# KiCad board cm4-baseboard.kicad_pcb (continued)
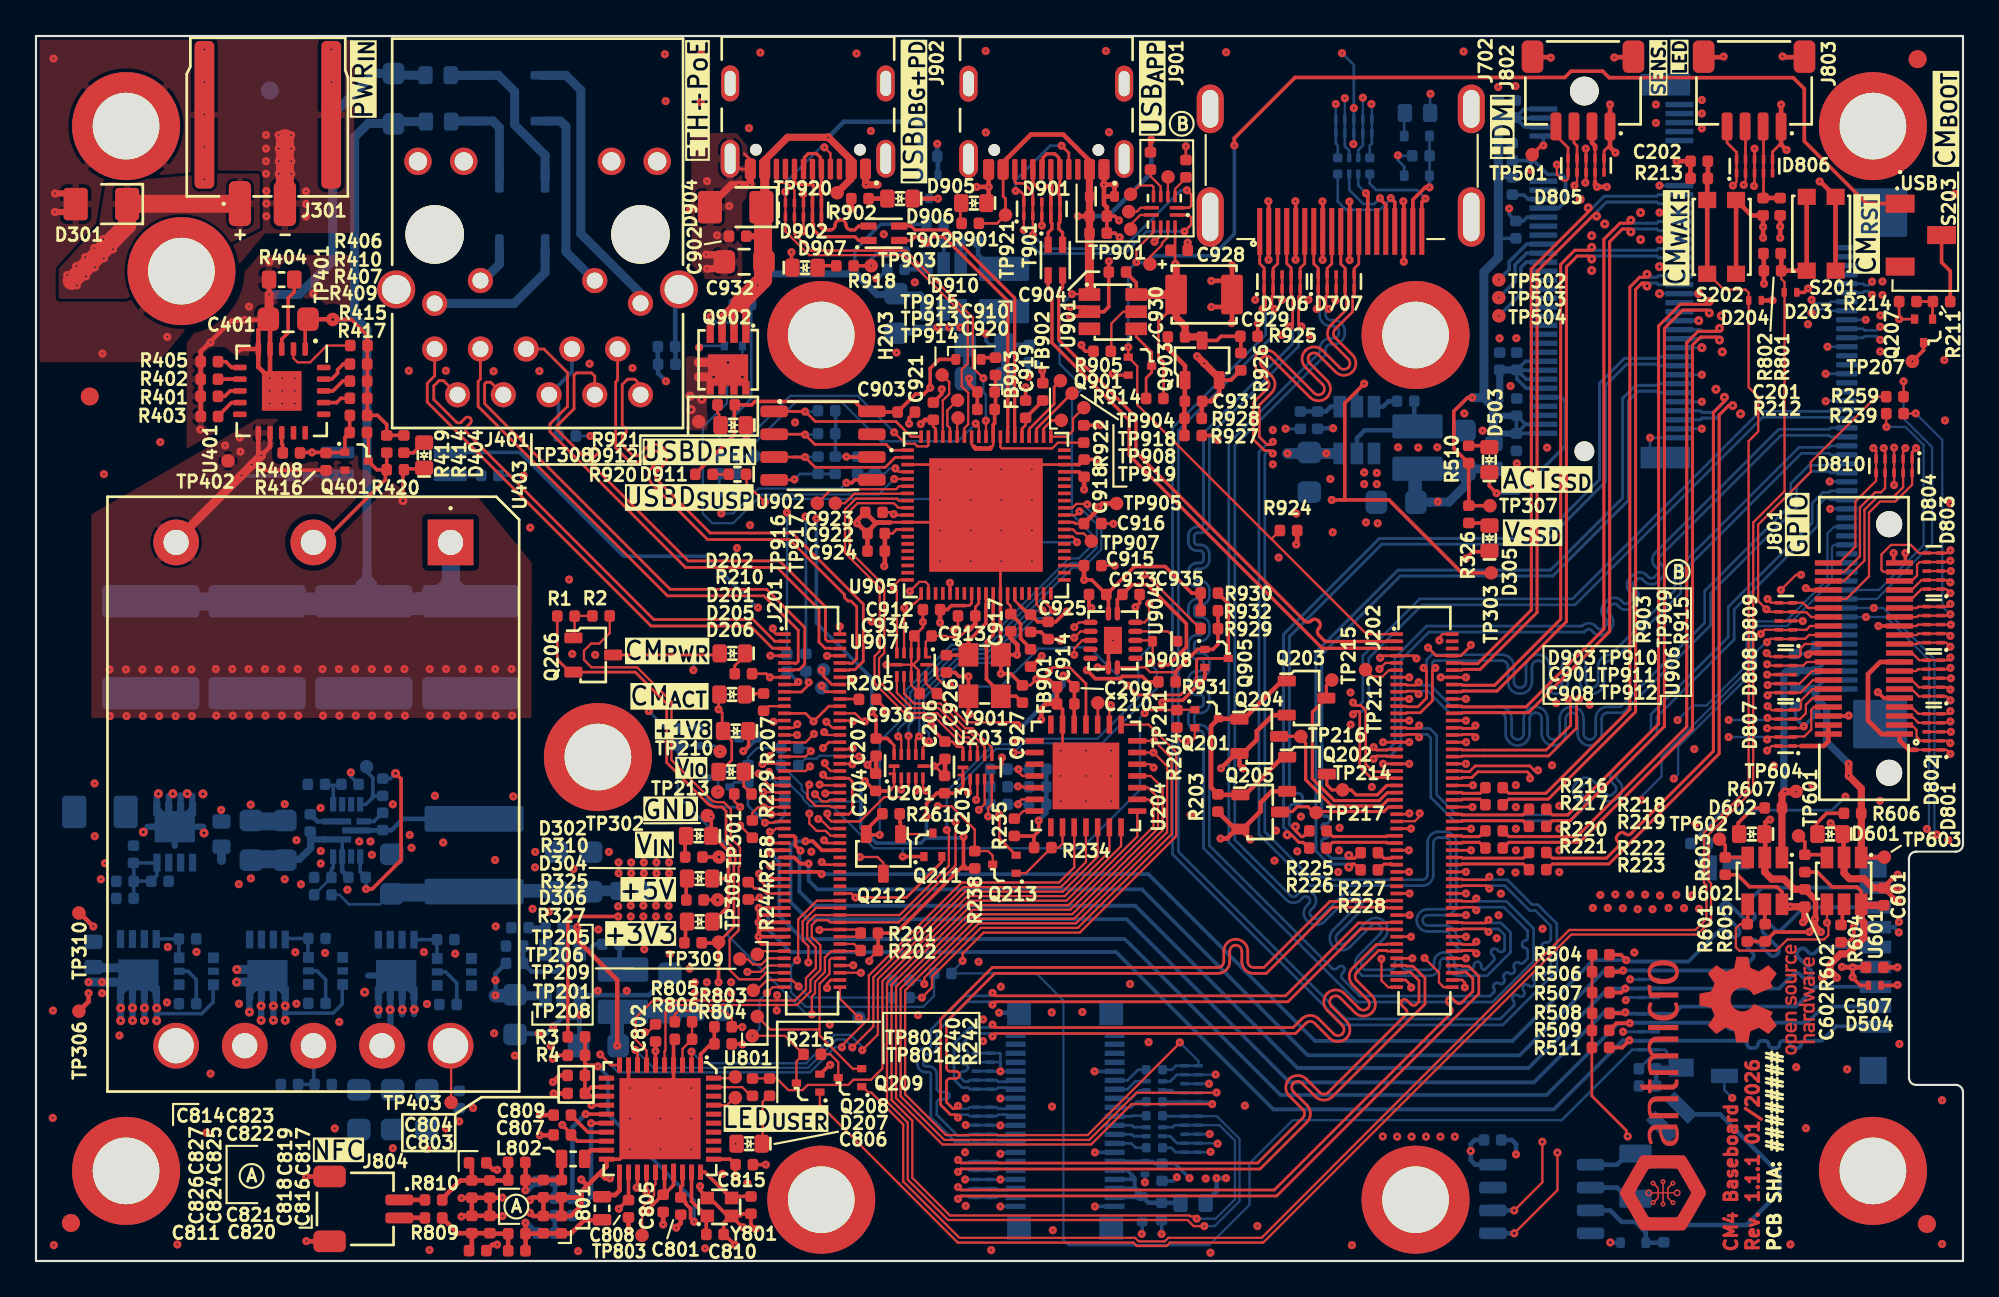
[diagram p0: board, top side]
## Routing (per net, layer and track width the routed paths; a pad name or vN(x,y) marks a point on that pad's centre or on a via; arc(x,y) is an arc through that point) (continued)
+5V: length 66.1
  Top w0.127: v1(96.12,28.33) 96.38,28.59 D807.10 ; 98.02,28.59 D807.1 ; 96.77,28.57 97.55,28.57
  Top w0.15: D205.2 38.15,29.35 38.63,28.87 38.63,27.81 37.9,27.07 ; 38.1,29.42 38.1,30.42 v1(37.9,30.62) 37.9,31.45
  Top w0.2: v1(40.12,18) 40.13,18 J201.85 ; v1(40.12,18) 40.12,18.25 ; v1(40.12,18) 40.12,17.75 40.27,17.6 J201.87 ; 40.27,18.4 40.15,18.4 40.12,18.42 ; 40.27,18.4 40.25,18.4 40.12,18.53 ; 40.27,18.4 J201.83 ; 40.27,18.4 40.12,18.25 ; J201.77 40.13,19.6 v1(40.12,19.6) 40.12,19.32 ; 40.12,18.25 40.12,18.42 ; 40.12,18.53 40.12,19.07 ; 40.12,18.53 40.12,18.42 ; v2(37.85,20.05) 37.08,20.05 ; v1(40.12,18.8) 40.13,18.8 J201.81 ; 40.12,19.07 40.25,19.2 ; 40.12,19.07 40.12,19.22 ; 66.9,49.44 66.36,48.9 Q903.2 ; J201.79 40.27,19.2 ; 40.27,19.2 40.15,19.2 40.12,19.22 ; 40.27,19.2 40.25,19.2 ; 40.27,19.2 40.25,19.2 ; 40.12,19.32 40.25,19.2 ; 40.12,19.32 40.12,19.22 ; R3.2 29.53,12.45 29.53,18.87 29.79,19.12 v1(32.33,19.12) ; 98.22,21.59 98.92,21.59 99.74,20.76 101.11,20.76 101.35,20.53 U601.6
  Top w0.254: Q203.2 68.68,30.3 67.79,29.41 67.79,28.94 67.03,28.18 ; 67,23.98 68,24.97 68,25.45 68.63,26.08 69.47,26.08 ; 66.83,28.18 66.83,27.53 v1(67,27.35) ; 66.63,28.18 v1(65.8,27.35) ; 64.76,47.72 65.25,47.72 65.7,48.17 Q903.2 ; J801.4 J801.2 99.52,28.85 99.26,28.59 98.02,28.59 ; v1(67.42,23.4) 67.42,23.43 Q205.2 ; 64.73,46.78 64.73,47.7 ; v1(65.77,23.45) 66.12,23.45 66.65,23.98 ; R902.2 v1(45.27,58.42) ; 66.59,23.98 65.62,24.94 ; 96.85,58.04 v1(96.85,57.42) v1(96.85,56.8)
  Top w0.4: 99.62,16.1 v1(100,15.72) ; 99.62,16.1 99.24,15.72 v1(99.17,15.72) ; 99.62,16.1 99.62,16.47 100.2,17.05 100.6,17.05 101.49,17.94 101.49,18.8 101.35,18.95 U601.6 101.41,19.74 102.6,19.74 ; v1(64.47,50.22) v1(64.88,49.82) 65.7,49
  Bottom w0.15: v1(77.43,64.79) 77.41,64.77 77.41,64.01 77.74,63.67
  Bottom w0.254: v1(66.08,4.6) v1(65.55,4.6) 65.55,3.86 64.95,3.26 FB702.1
  vias: v1(32.33,19.69) v1(32.35,22.12) v1(32.35,21.53) v1(33.02,19.72) v1(33.02,19.12) v1(33.05,22.12) v1(33.05,21.53) v1(33.72,19.72) v1(33.72,19.12) v1(33.75,22.12) v1(33.75,21.53) v1(34.42,19.72) v1(34.42,19.12) v1(34.45,22.12) v1(34.45,21.53) v1(35.12,19.72) v1(35.12,19.12) v1(35.15,22.12) v1(35.15,21.53)
/Ethernet/VDD: length 83.4
  Top w0.2: U401.1 14.95,52.17 ; v2(16.48,52.27) 17.51,52.27 18.39,51.38 18.39,46.94 18.97,46.94 19.47,46.44 19.47,45.84 20.42,45.84
  Top w0.254: v2(16.48,52.27) 16.47,52.28 15.05,52.28
  Bottom w0.254: 17.69,52.4 17.56,52.27 v2(16.48,52.27)
  Bottom w0.5: 19.84,63.15 18.44,63.15 17.69,62.4 17.69,52.4 18.38,51.72 18.38,38.16 18.37,38.15 ; 18.37,36.95 18.37,38.15 ; 18.37,38.15 18.37,37.9 ; 18.01,37.56 18.01,36.61 ; 18.66,37.56 18.66,36.61 ; 18.33,37.63 18.33,36.69 ; 12.51,36.11 23.46,36.11 ; 18.37,37.9 18.04,37.57 ; 18.37,37.9 18.7,37.57 ; 19.98,63.25 21.46,63.25
  Bottom w1: 21.23,36.61 23.96,36.61 ; 21.23,36.61 22.04,36.61 23,37.57 23.96,36.61 ; 21.23,36.61 6.18,36.61 ; 23.96,36.61 23.04,37.53 23.04,39.9
/Ethernet/VSS: length 38.2
  Top w0.254: 11.36,50.64 v1(11.26,50.64) 11.26,50.74 11.36,50.64 ; 11.36,50.64 11.37,50.63 U401.5 ; U401.21 12.99,48.95 U401.4 12.99,52.24 ; 9.14,46.88 9.14,50.49 9.64,50.99 v1(9.69,50.99) 9.69,51.04 10.85,52.2 11.54,52.2 v1(11.58,52.24) 12.91,52.24 12.95,52.28 12.34,51.67 U401.5 ; U401.5 12.34,49.63 v1(12.97,49) ; 12.94,54.48 v1(12.94,53.65)
  Top w0.5: v1(12.94,53.65) 12.94,52.29
  Bottom w0.5: 19.72,65.83 21.44,65.83 ; D403.2 18.77,65.92 16.47,63.62 16.47,55.52 14.61,53.65 v1(12.94,53.65)
  vias: v1(9.12,46.15) v1(11.83,52.98) v1(12.96,55.45) v1(12.97,48.3) v1(12.97,47.6) v1(13.67,49) v1(13.67,48.3) v1(13.67,47.6) v1(14.38,49) v1(14.38,48.3) v1(14.38,47.6) v1(15.4,53.7)
/Supply/VCC_5V: length 10.3
  Top w0.2: v1(18.32,20.65) 18.67,20.65 20.27,22.25 20.27,26.76 v2(19.96,27.07)
  Bottom w0.2: v2(19.96,27.07) 19.68,26.78 19.25,26.78 ; v1(18.32,20.65) 18.32,21.28 ; U303.9 18,21.61 18.31,21.3
/Supply/VCC_IN: length 1.9
  Top w0.254: TP310.1 2.43,19.32 v1(3.18,18.57)
  Bottom w0.5: R308.1 10.3,22.23
/USB/+5V_{CAP}: length 28.1
  Top w0.127: 66.86,50.41 66.86,51.32
  Top w0.15: 63.25,57.44 63.25,55.36 v1(63.26,55.35) ; 62.61,48.1 62.61,49.91 62.33,50.2 62.33,52.15 63.2,53.02 ; v1(63.85,61.88) 63.85,61.12
  Top w0.2: U901.6 61.09,54.31 60.53,54.87 ; 66.87,51.33 65.8,51.33 65.57,51.1 Q903.3 ; 66.9,50.41 66.9,51.3
  Top w0.4: Q903.3 64.55,51.3 63.81,51.3 63.81,51.89 63.31,52.39 C929.1 63.31,55.3 v1(63.26,55.35)
  Top w0.5: U901.6 63.3,53.65
  In2.Cu w0.15: v1(63.85,61.88) 63.3,61.33 63.3,55.39 v1(63.26,55.35) 63.3,55.31
/USB/VCC_PD: length 5.8
  Top w0.127: U905.69 51.95,45.33 52.07,45.22 ; 53.03,45.17 53.15,45.28 U905.66
  Top w0.2: U905.66 53.15,46.42 53.23,46.5 C920.1 53.27,47.32 FB903.2
  Top w0.254: 53.03,45.17 52.97,45.1 52.18,45.1 52.07,45.22
/USB/VCC_USB: length 2.4
  Top w0.15: U905.62 54.75,46.2 54.95,46.4 54.95,46.8
  Top w0.2: 55.86,47.72 54.95,46.8
GND: length 465.7
  Top w0.127: 103.17,43.74 v1(103.17,45.15) ; D801.8 D801.3 v1(106.33,29.38) ; J202.20 v1(79.4,31.2) ; D808.8 v1(96.12,32.55) ; D807.8 96.48,29.59 ; 96.48,29.59 96.14,29.59 v1(96.12,29.57) ; 96.48,29.59 98.07,29.59 v1(98.16,29.68) ; v1(47.22,33.1) U907.6 48.65,33.1 ; D802.8 D802.3 v1(106.33,32.35) ; 96.77,29.57 97.55,29.57 ; 96.77,32.55 97.55,32.55 ; D810.8 v1(103.17,43.07) ; 48.65,33.1 48.6,33.15 U907.3 48.6,34.53 C934.1 49,34.47 U907.2 49,33.4 48.7,33.1 ; 48.65,33.1 48.7,33.1 ; 48.65,33.1 48.6,33.05 U907.9 48.6,31.97 C936.1 49,31.57 U907.10 49,32.8 48.7,33.1 ; Q201.2 64.35,29.03 64.17,28.85 v1(63.88,28.85) 63.58,28.85 63.35,29.07 63.35,29.62 ; J201.33 41.03,28.4 40.72,28.09 v1(40.72,28.01) ; v1(106.33,35.32) D803.3 D803.8 104.5,35.32 104.42,35.25 J801.25 ; D804.8 D804.3 v1(106.33,38.3) ; v1(33.82,12.7) 33.96,12.7 C802.1 ; v1(98.1,35.53) 98.09,35.54 D809.3 ; J201.53 41.05,24.4 40.97,24.33 v1(40.48,24.33) ; R929.2 64.65,35.1 61.65,38.1 v1(61.55,38.1) ; v1(42.6,59.22) 42.61,59.21 D902.8 D902.3 42.61,57.18 v1(42.6,57.16) ; 96.77,35.53 97.55,35.53
  Top w0.15: 103.45,53.26 103.45,53.25 v1(103.45,52.28) Q207.2 ; 51.19,35.81 51.19,35.29 v1(50.95,35.05) ; J202.92 v1(79.4,16.8) ; v1(76.27,20.4) J202.73 ; U204.6 57,28.22 ; R210.1 40.55,32.6 v1(40.75,32.4) J201.13 ; Q213.2 53.49,23.46 v1(53.49,24.78) ; 47.45,41.01 U905.11 52.35,41.01 ; D706.8 D706.3 69.19,53.36 v1(69.19,53.36) ; 46.65,28.03 v1(46.17,27.55) 46.17,27.51 46.62,27.06 ; D707.8 72.19,53.37 v1(72.15,53.33) ; J201.22 44.02,30.8 v1(43.17,29.95) 42.72,30.4 J201.23 ; J202.98 79.19,15.6 79.34,15.45 v1(79.34,15.19) ; J202.80 v1(79.4,19.2) ; v1(76.24,21.6) J202.67 ; v1(79.67,34.2) 79.67,34.15 79.12,33.6 J202.8 77.75,33.6 v1(77.3,34.05) ; J202.91 v1(76.42,16.8) ; 53.55,38.8 U905.31 53.55,36.45 ; 62.45,57.44 62.45,56.92 v1(62.11,56.58) ; J201.59 40.78,23.2 v1(40.75,23.23) ; C934.1 49.25,35.18 v1(49.25,35.47) 49.24,35.48 49.24,36.16 ; J202.13 76.27,32.4 ; 57.67,44.21 U905.55 55.56,44.21 ; 46.66,31.17 47.22,30.61 v1(47.22,30.48) ; v1(76.25,28.8) 76.25,28.8 J202.31 74.8,28.8 v1(74.8,28.8) ; J202.68 v1(79.4,21.6) ; v1(49.85,27.47) 49.84,27.47 U201.6 ; v1(49.85,27.47) 49.91,27.47 50.45,26.93 ; v1(49.85,27.47) 50.03,27.47 50.47,27.92 ; v1(76.23,22.8) J202.61 ; v1(76.36,15.18) 76.36,15.29 76.06,15.6 J202.97 ; v1(79.4,32.4) J202.14 v1(78,32.4) ; v1(44.63,35.22) 44.63,34.81 ; 59.16,40.93 59.82,40.93 v1(59.83,40.92) ; v1(55.85,57.48) D901.3 D901.8 ; v1(43.92,15.15) 43.92,15.39 44.14,15.6 J201.98 ; J201.60 43.92,23.2 v1(43.76,23.36) ; v1(43.63,22.15) 43.78,22 J201.66 ; J202.85 76.35,18 v1(76.35,18) ; J202.44 79.78,26.4 v1(79.79,26.41) ; v1(74.8,27.6) J202.37 v1(76.25,27.6) ; J201.32 44.02,28.8 v1(43.7,28.47) ; v1(79.68,22.8) J202.62 ; 96.9,63.1 96.9,62.1 ; 56.69,31.88 56.27,32.3 v1(55.55,32.3) 55.21,31.96 54.77,31.96 ; J201.8 43.93,33.6 v1(43.92,33.59) ; v1(40.91,35.11) 40.9,35.1 40.9,35 41.1,34.8 J201.1 ; 39.33,61.47 39.66,61.14 J902.A12 39.12,60.61 J902.SH ; v1(45.4,32.31) 45.31,32.4 J201.14 ; v1(86.03,59.86) 86.07,59.9 D805.3 D805.8 86.07,61.73 v1(86.05,61.75) ; v1(79.77,25.2) 79.76,25.2 J202.50 ; v1(40.77,33.6) J201.7 ; v1(40.77,21.92) 40.85,22 J201.65 ; v1(76.27,19.2) J202.79 ; v1(95.42,61.75) D806.8 95.42,59.7 v1(95.4,59.67) ; J202.86 79.4,18 v1(79.4,18) ; 87.4,62.95 87.4,61.95 87.07,61.62 D805.6 D805.5 ; v1(53.64,27.95) 53.65,27.93 53.65,27.57 53.47,27.4 U203.6 ; J201.52 45.14,24.8 45.33,24.99 45.33,26.61 45.14,26.8 J201.42 43.9,26.8 v1(43.7,27) ; Q211.2 50.3,22.15 48.33,20.17 v1(45.5,20.17) 45.27,20.4 J201.74 ; J202.56 79.68,24 v1(79.68,24) ; J202.26 v1(79.4,30) ; J202.19 v1(76.25,31.2) ; J202.55 v1(76.35,24) ; v1(74.64,33.49) 74.75,33.6 J202.7 76.5,33.6 v1(76.65,33.45) ; U905.3 49.95,44.21 ; J202.25 v1(76.25,30) ; 79.41,28.81 79.4,28.8 J202.32 ; J202.74 v1(79.4,20.4) ; J202.38 v1(79.4,27.6) ; 96.9,62.95 96.9,62.05 96.42,61.58 D806.6 96.42,60.39 ; v1(40.15,21.5) 40.15,21.2 40.57,20.77 40.93,20.77 40.95,20.8 J201.71 ; 59.16,38.6 v1(59.9,38.6)
  Top w0.18: Q901.2 59.85,49.18 v1(59.77,49.25)
  Top w0.2: U902.5 45.45,43.36 45.29,43.2 v1(45,43.2) ; C927.2 54.13,32.6 v1(53.58,32.6) Y901.4 v1(54.47,33.65) ; 38.59,2.51 39.22,1.88 v1(39.25,1.88) ; 38.59,2.51 39.1,2.51 39.2,2.62 39.7,2.62 ; 38.59,2.51 38.18,2.11 38.18,1.47 ; v1(98.27,37.35) 98.37,37.25 J801.34 ; R806.1 35.4,12.23 U801.4 35.4,8.65 ; v1(59.8,34.45) 59.55,34.2 U904.7 v1(58.95,32.95) ; v1(98.4,53.99) 98.18,53.77 D203.1 ; v1(79.4,39) 79.77,39.38 80.71,39.38 ; 48.81,47.12 48.48,46.79 v1(48.48,46.48) ; v1(39.22,12.03) 39.2,12.05 38.63,12.05 ; v1(61.05,36.3) 61.28,36.53 C935.1 ; R605.1 96.54,18.26 v1(98.48,18.26) ; 38.45,21.22 38.45,22.1 38.52,22.18 38.52,22.67 37.6,23.59 37.55,23.59 ; 38.45,21.22 38.44,21.23 D304.1 ; 38.45,21.22 38.45,19.69 37.6,18.84 ; 57.45,52.95 58.24,52.95 U901.2 59.29,52.7 59.57,52.97 59.57,55.49 v1(59.58,55.5) ; v1(68.44,55.58) 68.44,57.15 ; v1(102.27,31.57) 102.6,31.25 J801.9 ; v1(72.93,58.81) 72.95,58.79 J702.11 ; 43.55,10.37 44.06,10.89 v1(44.1,10.89) ; U801.9 32.9,9.67 ; 54.95,47.77 v1(54.95,48.5) ; v1(60.17,56.83) 60.15,56.83 59.91,57.06 59.46,57.06 59.46,58 59.9,58 v1(60.14,57.76) ; v1(69.93,58.83) 69.95,58.81 J702.5 ; 47.45,41.01 46.92,41.01 ; 46.92,41.01 46.59,41.01 46.22,41.38 ; 46.92,41.01 46.75,41.01 ; v1(75.92,58.83) 75.95,58.8 J702.17 v1(75.95,55.47) ; v1(103.15,39.3) 103.15,38.75 ; C920.2 C910.2 51.82,48.69 v1(51.82,48.98) ; v1(71.44,55.57) 71.44,57.15 ; v1(37.47,24.67) 37.49,24.65 D302.1 ; v1(71.43,58.82) 71.45,58.8 J702.8 ; v1(62.52,31) 62.65,31.12 63.67,31.12 64.9,32.35 Q905.2 ; D504.1 103.34,15.3 v1(103.36,15.32) ; v1(36.88,4.15) 36.88,3.92 37.31,3.49 ; v1(58.05,50.85) 58.05,50.72 58.27,50.5 58.72,50.5 ; 56.69,30.92 57,30.62 U204.6 ; 58.17,46.39 59.09,46.39 v1(59.1,46.4) ; v1(51.83,30.35) 51.78,30.4 Y901.2 51.78,32.45 v1(51.77,32.45) 51.25,32.45 51.03,32.67 C926.2 ; v1(72.94,55.56) 72.94,57.15 ; v1(69.94,55.58) 69.94,57.15 ; J801.6 100.63,30.25 v1(100.65,30.28) ; 95.02,17.73 96.02,17.73 ; v1(38.8,0.9) 38.2,1.5 ; v1(102.3,35.25) J801.25 ; v1(58.95,44.5) 58.94,44.49 58.2,44.49 57.92,44.21 57.67,44.21 ; v1(50.29,48.39) 50.29,48.13 49.83,47.66 ; v1(65.6,45.57) 65.35,45.82 64.73,45.82 ; 39.7,2.57 39.7,2.03 v1(39.95,1.78) ; v1(40.52,5.35) 39.81,5.35 ; J702.2 68.45,58.81 v1(68.43,58.83) ; U801.41 32.4,5.65 U801.20 ; 38.39,2.51 37.42,3.49 ; 100.27,17.74 100.69,17.74 100.95,17.99 v1(100.95,18.55) ; 41.95,55.25 v1(41.95,56) ; C933.1 58.47,36.38 v1(58.6,36.25) ; v1(103.8,39.3) 103.8,38.79 ; 55.22,34.92 55.8,34.92 56.2,34.52 56.82,34.52 v1(56.9,34.44) ; v1(67.84,52.04) 67.84,51.33 ; 53.55,36.45 53.55,33.68 ; 57.42,52.45 58.25,52.45
  Top w0.254: 98.2,66.83 97.02,66.83 v1(96.98,66.87) ; 46.17,40.48 46.61,40.93 46.61,40.99 ; 102.6,20.7 103.27,20.03 v1(103.37,20.03) ; 30.58,4.15 31.25,4.82 ; 30.58,4.15 30.27,3.85 30.27,3.55 ; 30.58,4.15 30.58,4.22 v1(30.27,4.53) ; 31.25,4.82 31.35,4.82 31.59,4.59 v1(31.87,4.59) ; 31.25,4.82 31.67,5.25 U801.20 ; v1(55.82,30.06) 55.82,30.67 56.08,30.92 56.69,30.92 56.69,31.88 ; 46.17,39.41 46.17,40.38 45.6,40.95 v1(45.59,40.95) 45.59,41.11 46.04,41.56 46.61,40.99 ; 24.2,2.51 23.67,2.51 v1(23.62,2.47) ; 24.2,2.51 24.2,3.51 ; 24.2,2.51 25.2,2.51 25.2,3.51 ; 59.46,58.49 59.46,58.5 ; 59.46,58.49 59.46,58 ; 59.46,58.49 59.3,58.65 59.3,59.15 ; 88.7,66.83 87.66,66.83 v1(87.64,66.81) ; 59.3,59.15 J901.A1 59.3,59.75 v1(59.3,59.75) v1(59.9,59.75) 59.89,59.74 D903.2 ; 59.3,59.15 59.35,59.1 D903.2 ; 91.87,61.05 v1(91.1,61.05) ; 28.17,3.53 27.58,3.53 v1(27.42,3.38) ; 28.17,3.53 29.17,3.53 ; 28.17,3.53 28.17,2.5 ; v1(25.9,3.52) 25.89,3.51 25.2,3.51 ; 30.27,3.55 30.27,3.07 29.7,2.5 29.17,2.5 ; 30.27,3.55 30.26,3.53 29.17,3.53 ; 46.61,40.99 47.43,40.99 ; v1(65.26,54.41) 66.41,54.41 C929.2 ; v1(65.26,52.96) 66.41,52.96 C929.2 ; v1(96.9,64.2) 96.9,61.97 v1(97.2,61.67) ; 29.17,3.53 29.17,2.5 ; 29.17,3.53 29.89,3.53 29.9,3.53 ; 29.17,2.5 28.17,2.5 ; C929.2 66.41,52.08 v1(66.39,52.06) ; C929.2 v1(66.41,55.27) ; v1(87.7,61.52) 87.4,61.83 v1(87.4,64.2) ; v1(103.37,21.45) 103.3,21.45 102.6,20.75 ; v1(52.9,59.62) 52.9,58.8 ; v1(52.9,59.62) v1(52.22,59.62) ; v1(52.9,59.62) J901.A12 ; v1(28.7,9.94) 29.07,10.3 29.52,10.3 ; D903.2 59.89,58.93 ; v1(96.28,24.5) 96.18,24.5 96.02,24.34 96.02,22.42 ; 25.2,3.51 24.2,3.51 ; v1(34.83,2.03) 34.83,2.72 ; 50.47,27.92 50.47,26.96 ; 46.65,28.04 46.65,27.08 ; 35.8,2.57 35.8,2.1 v1(35.55,1.85) ; 95.94,55.9 95.94,54.97 v1(95.95,54.25) ; 16.38,4.69 15,4.69 v1(15,4.69) ; v1(93.71,66.86) 93.68,66.83 92.6,66.83 ; 83.1,66.83 84.08,66.83 v1(84.11,66.8) ; 24.2,3.51 23.64,3.51 v1(23.62,3.49) ; 32.9,2.42 v1(32.9,1.65) ; 100.25,23.7 v1(99.65,24.3) ; 25.22,2.49 v1(25.9,2.49) ; 102.6,20.71 103.37,20.71 v1(103.37,20.7) ; 28.74,8.1 v1(27.97,8.1) ; v1(27.42,2.67) 27.6,2.5 28.17,2.5 ; J801.20 98.48,33.75 v1(98.4,33.67) ; 100.37,23.7 100.37,22.43 ; 54.12,34.95 54.12,34.57 54.5,34.2 54.5,33.67 v1(54.47,33.65) ; 28.72,6.97 v1(27.97,6.97) ; D204.1 v1(96.42,53.33) ; 98.79,18.99 v1(98.77,18.97) ; 16.38,1.09 15.02,1.09 v1(15.01,1.1) ; 29.52,9.3 v1(28.74,9.3) ; 91.86,60.1 91.86,61.05 ; 102.58,16.3 v1(103.36,16.3)
  Top w0.3: 98.79,20.06 98.81,20.04 98.81,19.01 98.79,18.99
  Top w0.35: v1(99.11,18.26) 98.77,18.6 v1(98.77,18.97) 98.77,18.56 v1(98.48,18.26) ; 98.79,20.05 98.79,20.06 98.22,20.63 ; v1(1.06,59.26) 1.61,59.26 D301.2 1.76,58.23 v1(1.05,58.23)
  Top w0.4: v1(46.72,59.75) v1(46.08,59.75) 46.06,59.76 J902.A1 ; U601.2 100.4,21.52 100.7,21.22 101.51,21.22 102.02,20.71 102.6,20.71 ; U602.2 96,21.58 96.38,21.2 97.05,21.2 97.62,20.63 98.22,20.63 ; v1(37.25,55.08) 37.95,55.08 ; 37.25,55.86 37.93,55.86 ; 37.42,58.56 38.61,59.75 v1(39.02,59.75) v1(39.65,59.75) 39.66,59.76 J902.A12
  Top w1: J301.2 13.82,62.33
  Bottom w0.125: v1(38.05,41.5) 38.71,41.5 40.09,42.88 44.68,42.88 v1(45,43.2)
  Bottom w0.127: v1(99.62,41.75) 99.95,41.75 99.95,41.75 J601.30 ; 37.22,33.27 36.72,33.27 36.5,33.05 v1(36.5,32.8)
  Bottom w0.15: 37.94,43.7 37.94,41.6 v1(38.05,41.5) ; v1(51.59,4.53) D701.3 D701.8 v1(53.55,4.53) 53.55,4.53 J701.7 ; v2(90.15,53.7) 90.15,53.7 92.32,53.7 v2(92.33,53.7) ; v1(53.55,10.53) 53.55,10.53 J701.31 ; v1(53.55,10.53) 52.99,10.53 ; v1(53.55,10.53) 53.55,10.8 ; v1(34.02,30.53) 34.95,29.6 Q210.2 ; D712.2 75.98,60.75 75.62,61.1 v1(75.62,61.38) 75.65,61.35 76.42,61.35 ; J501.9 92.5,47.7 v1(92.5,47.7) ; v1(90.15,56.7) 90.15,56.7 J501.45 ; J501.27 92.32,52.2 v2(92.33,52.2) ; v1(92.5,46.2) 92.5,46.2 J501.3 ; D703.3 D703.8 ; v1(99.37,47.72) 99.4,47.75 J601.18 ; J601.9 v1(101.6,52.25) ; v1(72.52,67.05) 73.17,66.39 v1(73.17,64) D708.8 D708.3 73.17,62.03 v1(73.15,62) ; v1(92.5,49.2) 92.5,49.2 J501.15 ; D703.4 D703.7 53.51,11.04 53.55,11 53.55,10.8 ; v1(88.52,15.64) 88.53,15.62 D502.3 D502.8 ; D704.3 D704.8 65.16,7.04 v1(65.17,7.05) ; D705.3 D705.8 v1(65.13,9.84) ; 53.55,10.8 53.55,11.5 53.51,11.54 D703.6 D703.5 ; J701.1 53.55,3.03 v1(53.55,3.03) ; 91.25,55.2 90.15,55.2 v2(90.15,55.2) ; J501.21 92.5,50.7 v2(92.5,50.7) ; D502.10 D502.1 88.42,14.62 v1(88.27,14.47) ; 25.68,43.6 v1(27.07,43.6) ; v1(90.15,59.7) 90.15,59.7 91.25,59.7 ; D501.8 D501.3 v1(88.12,12.72) ; 89.62,44.9 v1(89.62,45.7) 89.63,45.7 J501.1 ; J601.15 v1(99.37,49.25) ; v1(53.55,5.95) 53.63,6.03 J701.13 ; v1(51.62,7.55) 51.64,7.54 D702.3 D702.8 53.54,7.54 v1(53.55,7.53) 53.55,7.53 J701.19 ; v1(94.19,9.05) 93.75,9.49 J502.SH ; Q214.2 38.78,26.57 R263.1 39.53,25.27 v1(40.48,24.33) 41.16,24.33 41.58,24.75 R260.1 ; 29.98,45.8 v1(30.77,45.8) ; v1(90.15,58.2) 90.15,58.2 J501.51 ; Q904.2 36.91,50.8 v1(36.82,50.71) ; 70.21,46.19 69.39,46.19 ; v1(99.6,43.27) 100.53,43.27 ; J701.25 53.55,9.03 v1(53.55,9.03) ; J601.12 v1(99.48,50.75)
  Bottom w0.2: 98.85,34.17 98.4,33.72 v1(98.4,33.67) 98.35,33.71 97.65,33.71 ; v1(100.95,18.55) 100.97,18.53 J502.6 103.15,18.53 ; R314.1 17.48,26.9 v1(17.48,27.12) ; 103.15,18.53 v1(103.44,18.24) ; 103.15,18.53 v1(103.45,18.82) ; v1(58.8,3.03) 58.8,3.03 J701.2 ; 62.52,4.44 63.14,4.44 v1(63.35,4.65) ; 62.5,2.27 v1(62.5,1.5) ; 47.27,55.05 46.76,54.55 v1(46.66,54.55) ; D709.2 61.42,1.53 v1(61.4,1.5) ; 17,23.4 U303.11 ; J701.14 58.8,6.03 v1(58.8,6.03) ; D711.1 v1(61.58,4.37) ; v1(53.49,24.78) 53.49,24.8 52.98,25.3 ; v1(58.77,10.53) 58.78,10.53 J701.32 ; 97.7,30.79 97.7,30.14 v1(98.16,29.68) 98.8,30.32 ; 42.63,57.12 v1(42.6,57.16) ; 52.98,25.35 52.98,27.29
  Bottom w0.254: v1(82.18,5.92) 82.18,6.49 81.95,6.72 C828.2 ; 34.54,49.78 34.54,49.28 v1(34.98,48.84) ; J701.MP 54.54,13.78 v1(53.48,13.78) ; U303.11 17,21.64 17.34,21.3 ; 35.17,15.9 34.03,14.76 30.28,14.76 ; 26.59,12.62 v1(27.91,12.62) 28.33,12.62 v1(28.71,13.01) 29.2,13.5 30.19,13.5 ; v1(50.04,62.02) R934.2 50.08,61.28 Q906.2 ; 34.52,50.76 34.52,49.8 ; 30.19,13.5 30.19,13.38 30.17,13.37 30.17,11.9 ; 30.19,13.5 U302.1
  Bottom w0.35: 51.51,51.84 51.65,51.7 51.65,48.99 ; 51.51,51.84 51.35,52 U903.1 ; 51.51,51.84 51.47,51.8 51.35,51.8 v1(51.33,51.83) 51.3,51.8 50.72,51.8 v1(50.7,51.83) 50.67,51.8 50.08,51.8 v1(50.05,51.83) 50.02,51.8 48.85,51.8 48.6,51.55 47.77,51.53 ; 16,23.4 15.26,23.4
  Bottom w0.4: 13.8,22.28 14.63,22.3 15.25,22.92 15.25,23.82 C307.2
  Bottom w1: 13.78,22.3 11.95,22.3
  vias: v1(0.93,7.94) v1(0.97,66.75) v1(0.94,13.9) v1(0.99,0.88) v1(3.25,26.51) v1(3.26,23.58) v1(3.6,21.19) v1(3.69,50.37) v1(3.77,43.68) v1(3.83,22.08) v1(4.63,12.52) v1(6.9,45.46) v1(7.29,51.3) v1(7.32,17.43) v1(7.27,14.35) v1(7.85,0.92) v1(8.91,17.16) v1(9.35,67.25) v1(9.35,65.45) v1(9.35,63.65) v1(9.35,61.85) v1(9.35,60.05) v1(9.46,7.12) v1(9.69,10.4) v1(11.26,20.92) v1(11.27,14.28) v1(11.93,21.24) v1(12.77,62.5) v1(12.77,61.75) v1(12.77,61.05) v1(12.77,60.35) v1(12.79,59.4) v1(12.79,58.7) v1(12.79,58) v1(13.47,62.5) v1(13.47,61.75) v1(13.47,61.05) v1(13.47,60.35) v1(13.81,21.19) v1(14.17,62.5) v1(14.17,61.75) v1(14.17,61.05) v1(14.17,60.35) v1(14.4,17.14) v1(14.46,23.36) v1(14.46,14.28) v1(14.71,20.91) v1(14.99,59.38) v1(14.99,58.68) v1(14.99,57.98) v1(15.81,22.76) v1(15.81,22.06) v1(16.05,17.1) v1(16.4,67.25) v1(16.4,65.45) v1(16.59,7.36) v1(16.84,13.27) v1(17.29,20.61) v1(17.92,6.27) v1(17.95,23.29) v1(18.57,23.29) v1(18.65,22.55) v1(19.81,25.35) v1(19.81,6.26) v1(20.7,49.42) v1(20.75,23.65) v1(20.85,22.94) v1(21.54,17.15) v1(21.71,14.27) v1(21.71,6.22) v1(21.85,0.61) v1(22.15,25.82) v1(22.61,23.23) v1(22.76,49.42) v1(22.76,7.36) v1(23.28,17.06) v1(23.5,7.75) v1(24.27,8.49) v1(25.41,49.39) v1(25.49,22.26) v1(25.52,18.57) v1(25.44,12.64) v1(26.5,25.79) v1(26.59,11.4) v1(27.44,40.71) v1(27.58,19.55) v1(27.72,22.71) v1(27.71,21.85) v1(27.95,49.4) v1(28.48,19.39) v1(28.58,11.94) v1(29.6,37.83) v1(29.77,33.7) v1(29.84,21.76) v1(30.1,0.55) v1(30.19,13.67) v1(30.74,49.81) v1(31.05,33.65) v1(31.22,18.4) v1(31.2,15) v1(31.81,22.71) v1(32.8,15) v1(32.97,9.6) v1(32.97,7.9) v1(32.97,6.2) v1(33.12,49.57) v1(33.77,17.3) v1(34.67,9.6) v1(34.67,7.9) v1(34.67,6.2) v1(34.92,66.99) v1(34.96,64.39) v1(35.2,17.04) v1(36.32,58.39) v1(36.29,16.23) v1(36.38,9.6) v1(36.38,7.9) v1(36.38,6.2) v1(36.93,67) v1(36.91,64.33) v1(37.21,55.87) v1(37.15,0.7) v1(37.26,59.95) v1(37.81,56.94) v1(38.11,4.84) v1(38.49,58.56) v1(38.92,39.57) v1(39.5,4.32) v1(39.59,62.89) v1(39.65,40.85) v1(40.22,67.08) v1(42.15,46.55) v1(43.05,22.72) v1(44.08,13.12) v1(45.56,67.03) v1(46.36,62.73) v1(46.4,35.5) v1(47.07,57) v1(47.78,50.43) v1(48.8,54.33) v1(48.97,13.65) v1(50.2,43.95) v1(50.2,42.25) v1(50.2,40.55) v1(50.2,38.85) v1(51.62,9.03) v1(51.58,6.04) v1(51.62,3.06) v1(51.9,43.95) v1(51.9,42.25) v1(51.9,40.55) v1(51.9,38.85) v1(52.34,16.61) v1(52.59,13.41) v1(52.59,12.2) v1(52.73,67.17) v1(52.74,62.65) v1(53.04,0.61) v1(53.6,43.95) v1(53.6,42.25) v1(53.6,40.55) v1(53.6,38.85) v1(53.57,15.23) v1(55.3,43.95) v1(55.3,42.25) v1(55.3,40.55) v1(55.3,38.85) v1(56.4,13.8) v1(56.42,8.57) v1(56.46,1.71) v1(56.9,28.32) v1(56.9,26.92) v1(56.9,25.53) v1(57.42,52.95) v1(57.42,52.42) v1(58.1,13.82) v1(58.3,28.32) v1(58.3,26.92) v1(58.3,25.53) v1(59.41,67.17) v1(59.58,62.66) v1(59.7,28.32) v1(59.7,26.92) v1(59.7,25.53) v1(60.75,15.38) v1(61.78,12.15) v1(63.95,56.53) v1(64.12,24.76) v1(64.95,4.57) v1(65.21,0.46) v1(66.08,67.1) v1(67.12,8.62) v1(67.7,53.36) v1(67.82,1.94) v1(68.67,46.12) v1(68.67,44.22) v1(68.77,22.23) v1(68.86,23.89) v1(69,39.05) v1(69.17,51.4) v1(69.38,46.2) v1(69.98,41.49) v1(70.03,22.74) v1(70.23,24.67) v1(70.66,53.36) v1(70.72,51.4) v1(71.87,43.41) v1(72,40.45) v1(72.31,21.59) v1(72.38,24.05) v1(72.36,22.79) v1(72.99,31.56) v1(73,29.78) v1(73.07,0.88) v1(73.75,43.78) v1(73.75,43.12) v1(73.85,41) v1(74.17,26.31) v1(74.45,43.75) v1(74.45,43.12) v1(74.5,40.95) v1(75.63,45.17) v1(76.25,32.4) v1(76.75,45.16) v1(77.81,45.17) v1(79.27,67.14) v1(79.31,47.05) v1(79.41,28.8) v1(80.33,46.09) v1(81.11,17.92) v1(81.19,65.17) v1(81.21,19.19) v1(81.27,51.22) v1(81.32,21.6) v1(81.34,20.39) v1(81.88,48.57) v1(82.15,65.22) v1(82.2,51.23) v1(82.22,44.28) v1(82.17,26.42) v1(82.17,25.2) v1(82.17,24) v1(82.17,22.8) v1(82.15,21.57) v1(83.91,45.15) v1(84.18,27.52) v1(84.41,30.97) v1(84.58,25.27) v1(84.58,24) v1(84.58,22.8) v1(84.58,21.59) v1(86.27,30.88) v1(88.75,17.12) v1(89.95,64.2) v1(89.95,63.17) v1(92.08,28.42) v1(92.15,24.28) v1(92.5,64.45) v1(92.5,63.7) v1(92.5,62.88) v1(97.42,0.92) v1(97.74,10.76) v1(98.28,7.37) v1(98.39,52) v1(98.65,26.41) v1(100.57,10.64) v1(102.41,52.49) v1(102.4,50.49) v1(102.39,25.55) v1(102.53,54.38) v1(102.53,53.62) v1(103.47,12.05) v1(105.84,8.92) v1(105.84,0.94) v1(105.96,50.01) v1(106,46.66) v1(106.19,23.37) v1(106.29,42.05) v1(106.55,59.23) v2(85.74,58.93) v2(86.38,56.92) v2(86.38,54.99) v2(87.11,57.57) v2(89.1,58.2) v2(89.1,56.7) v2(93.28,48.39) v2(93.58,52.47) v2(93.63,50.47) v2(94.65,47.03)
GNDD: length 20
  Top w0.2: 16.13,43.9 12.45,43.9 12.07,44.28 ; v2(20.38,42.21) 20.38,43.89 ; 11.69,43.9 v1(11.4,43.6) ; 20.48,43.97 21.52,43.97
  Top w0.254: 12.26,44.47 12.34,44.55 12.34,44.91 ; 12.34,44.91 12.52,44.73 12.99,45.2 U401.12 ; 12.34,44.91 U401.11
  Top w0.5: 12.52,44.73 12.52,44.72 v1(12.5,44.72) 12.5,44.71 11.99,44.2 v1(11.97,44.2) 11.97,44.18 v1(11.4,43.6) 7.79,40
  Bottom w0.2: v1(11.4,43.6) 11.42,43.57 14.11,43.57
  vias: v1(4.08,32.84) v1(4.11,30.25) v1(4.99,32.84) v1(5.02,30.25) v1(5.9,32.84) v1(5.93,30.25) v1(6.81,32.84) v1(6.84,30.25) v1(7.72,32.84) v1(7.75,30.25) v1(8.63,32.84) v1(8.66,30.25) v1(9.98,32.86) v1(10.01,30.28) v1(10.5,45.27) v1(10.89,32.86) v1(10.92,30.28) v1(11.31,45.71) v1(11.35,44.93) v1(11.8,32.86) v1(11.83,30.28) v1(12.71,32.86) v1(12.74,30.28) v1(13.62,32.86) v1(13.65,30.28) v1(14.53,32.86) v1(14.56,30.28) v1(15.91,32.86) v1(15.93,30.28) v1(16.82,32.86) v1(16.84,30.28) v1(17.73,32.86) v1(17.75,30.28) v1(18.64,32.86) v1(18.66,30.28) v1(19.55,32.86) v1(19.57,30.28) v1(20.46,32.86) v1(20.48,30.28) v1(21.86,32.86) v1(21.88,30.28) v1(22.77,32.86) v1(22.79,30.28) v1(23.68,32.86) v1(23.7,30.28) v1(24.59,32.86) v1(24.61,30.28) v1(25.5,32.86) v1(25.52,30.28) v1(26.41,32.86) v1(26.43,30.28)
VCC: length 87.9
  Top w0.2: 37.08,22.42 v2(37.92,22.42)
  In2.Cu w0.2: v2(37.92,22.42) 35.95,22.42 33.5,24.88
  In2.Cu w0.75: v1(71.65,44.83) 71.34,44.83 70.16,43.64 ; 69.5,42.99 69.5,42.45 58.25,31.2 39.82,31.2 32.86,24.24 26.66,24.24 26.65,24.23 ; 69.5,42.99 70.16,43.64 ; 69.5,42.99 69.5,44.17 ; 69.5,44.17 69.63,44.17 70.16,43.64 ; 69.5,44.17 v1(69.5,44.83)
  Bottom w0.254: C307.1 15.63,24.4 U303.2 ; v1(25.52,14.75) 25.52,15.95 26.09,16.53
  Bottom w0.35: Q307.5 8.67,25.08 8.67,25.82 ; Q307.5 6.19,24.11 ; Q307.5 6.7,25.11 6.7,25.8 ; Q307.5 9.28,24.11 ; Q307.5 7.7,23.05 ; Q307.5 8.7,25.11 ; 8.02,24.43 8.02,25.85 ; 7.38,24.43 7.38,25.82
  Bottom w0.5: 28.24,14.72 26.6,14.72
  Bottom w0.6: 70.7,44.83 U301.3 v1(71.65,44.83) 69.5,44.83 v1(69.5,44.83)
  Bottom w0.75: 26.25,14.72 25.51,14.72
  Bottom w1: 13.82,24.4 11.95,24.4
  vias: v1(10.28,25.04) v1(11.92,25.33) v1(13.81,25.36) v1(15.8,25.15) v1(25.52,15.58) v2(5.96,23.81) v2(6.8,25.94) v2(7.6,25.94) v2(8.4,25.94) v2(9.27,25.93) v2(9.33,23.76)
/Compute module/BT_nDis: length 2.7
  Top w0.127: TP206.1 39.52,16.76 39.82,16.46 40.28,16.46 40.62,16.8 J201.91
/Compute module/CAM_GPIO: length 9.1
  Top w0.127: 40.02,15.03 40.6,15.6 J201.97 41.98,15.6 v1(42.34,15.24)
  Bottom w0.127: 47.53,15.58 47.53,14.62 42.96,14.62 v1(42.34,15.24)